# KiCad board Monorail_Jet.kicad_pcb (continued)
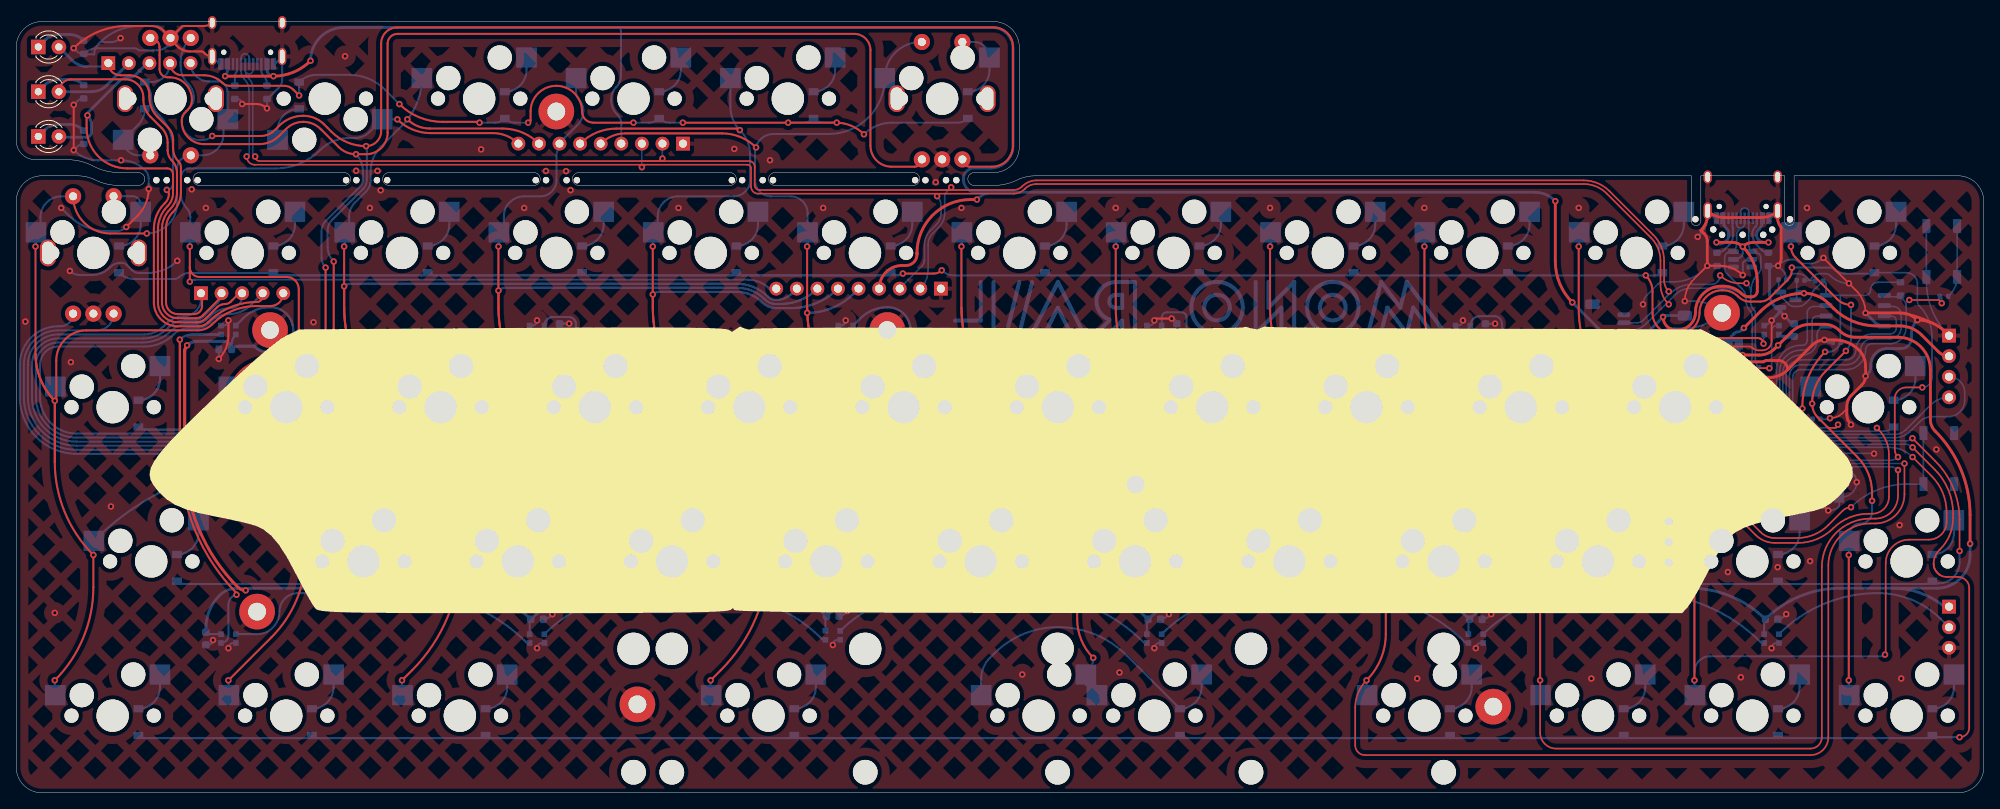
[diagram p0: board, top side]
## Routing (per net, layer and track width the routed paths; a pad name or vN(x,y) marks a point on that pad's centre or on a via; arc(x,y) is an arc through that point) (continued)
COL5: length 269.9
  Top w0.25: v1(111.92,29.37) 109.13,32.16 arc(104.14,39.62) v1(102.39,48.42) arc(98.87,53.69) 97.63,59.92 v1(97.63,67.47) ; 97.64,59.92 arc(98.88,53.69) 102.4,48.42 arc(104.15,39.62) 109.14,32.16 ; J7.5 arc(73.56,81.11) 75.22,81.44 87.14,81.44 arc(89.41,80.99) v1(91.33,79.7)
  Bottom w0.2: 203.69,38.36 207.13,38.36 arc(207.84,38.5) 208.43,38.9 arc(209.1,39.34) 209.88,39.5 211.42,39.5 arc(212.41,39.7) U3.29
  Bottom w0.25: 103.99,62.26 103.37,61.64 arc(100.75,59.89) 97.65,59.27 ; MX36.1 111.98,29.51 arc(111.96,29.43) v1(111.92,29.37) ; 102.46,50.16 102.46,48.56 arc(102.45,48.48) 102.4,48.42 ; 203.69,38.36 143.87,38.36 arc(141.78,38.78) 140.01,39.96 arc(139.24,40.48) 138.32,40.66 138.1,40.66 arc(137.19,40.48) 136.41,39.96 arc(134.64,38.78) 132.55,38.36 129.49,38.36 ; SW3.S2 111.67,92.72 arc(108.52,91.42) MX6.1 arc(105.19,83.38) 100.31,81.36 93.49,81.36 arc(91.87,80.69) 91.19,79.06 91.19,75.66 arc(91.78,74.25) 93.19,73.66 95.59,73.66 arc(97.08,73.05) 97.69,71.57 MX12.1 97.69,67.61 arc(97.67,67.53) v1(97.63,67.47) ; MX24.1 102.45,48.56 arc(102.44,48.48) v1(102.39,48.42) ; J10.5 103.36,61.64 arc(100.74,59.89) v1(97.64,59.27) ; 111.99,31.11 arc(120.02,36.48) 129.48,38.36 132.54,38.36 arc(134.63,38.78) 136.4,39.96
COL6: length 192.8
  Top w0.25: v1(116.68,67.47) 116.68,59.92 arc(117.92,53.69) v1(121.44,48.42) arc(123.19,39.62) 128.18,32.16 v1(130.97,29.37) 130.97,21.46 arc(131.48,18.87) v1(132.95,16.67) ; 116.69,59.92 arc(117.93,53.69) 121.45,48.42 arc(123.2,39.62) 128.19,32.16
  Bottom w0.2: 203.69,37.86 207.09,37.86 arc(207.93,38.03) 208.63,38.5 arc(209.3,38.94) 210.08,39.1 213.3,39.1 arc(213.73,39.19) U3.28
  Bottom w0.25: 203.69,37.86 145.13,37.86 arc(142.23,37.29) 139.78,35.65 ; 136.41,34.23 135.57,34.23 arc(134.27,33.98) 133.16,33.23 131.04,31.11 ; v1(130.97,29.37) 130.97,30.97 ; v1(121.44,48.42) 121.44,50.02 ; MX13.1 116.74,67.61 arc(116.72,67.53) v1(116.68,67.47) ; 121.45,48.42 121.45,50.02 ; MX58.2 132.13,14.69 arc(132.74,15.6) v1(132.95,16.67) ; MX58.2 132.57,14.08 arc(133.19,13.15) MX47.1 ; MX58.2 132.05,13.35 133.23,13.35 ; 131.04,31.11 133.16,33.23 arc(134.27,33.98) 135.58,34.23 136.41,34.23 arc(138.22,34.59) 139.75,35.62
COL7: length 114.6
  Top w0.25: v1(135.73,67.47) 135.73,59.92 arc(136.97,53.69) v1(140.49,48.42) arc(142.24,39.62) 147.23,32.16 v1(150.02,29.37)
  Bottom w0.2: U3.27 214.49,38.94 arc(214.47,38.81) 214.39,38.7 arc(214.35,38.67) 214.29,38.66 210.19,38.66 arc(209.45,38.52) 208.83,38.1 arc(208.01,37.55) 207.05,37.36 165.16,37.36 arc(157,35.74) MX38.1 arc(150.09,31.12) 150.09,31.13
  Bottom w0.25: MX38.1 150.08,29.51 arc(150.06,29.43) v1(150.02,29.37) ; MX14.1 135.79,67.61 arc(135.77,67.53) v1(135.73,67.47) ; v1(140.49,48.42) 140.49,50.02
COL8: length 186.5
  Top w0.2: v1(233.09,40.66) 233.09,36.86 arc(232.04,34.32) 229.49,33.26 228.89,33.26 arc(225.22,31.74) 223.69,28.06 223.69,6.86 arc(223.05,5.31) 221.49,4.66 166.49,4.66 arc(165.65,5.01) 165.29,5.86 165.29,10.53 arc(165.66,12.35) v1(166.69,13.89)
  Top w0.25: v1(154.78,67.47) 154.78,59.92 arc(156.02,53.69) v1(159.54,48.42) arc(161.29,39.62) 166.28,32.16 v1(169.07,29.37) 169.07,19.64 arc(168.45,16.53) v1(166.69,13.89)
  Bottom w0.2: U3.13 v1(233.09,40.66)
  Bottom w0.25: v1(166.69,13.89) 166.69,12.21 arc(166.7,12.13) 166.75,12.06 ; MX15.1 154.84,67.61 arc(154.82,67.53) v1(154.78,67.47) ; v1(169.07,29.37) 169.07,30.97 ; MX27.1 159.6,48.56 arc(159.59,48.48) v1(159.54,48.42)
COL9: length 158.8
  Top w0.2: v1(232.29,39.86) 232.29,36.66 arc(231.47,34.68) 229.49,33.86 228.89,33.86 arc(224.65,32.11) 222.89,27.86 222.89,6.86 arc(222.48,5.87) 221.49,5.46 190.09,5.46 arc(188.7,6.04) 188.12,7.44 v1(188.12,13.89)
  Top w0.25: v1(188.12,13.89) v1(188.12,29.37) 185.33,32.16 arc(180.34,39.62) v1(178.59,48.42) arc(175.07,53.69) 173.83,59.92 v1(173.83,67.47)
  Bottom w0.2: U3.14 231.33,40.26 arc(231.85,40.16) v1(232.29,39.86)
  Bottom w0.25: MX16.1 173.89,67.61 arc(173.87,67.53) v1(173.83,67.47) ; v1(188.12,13.89) 188.12,12.21 arc(188.13,12.13) MX49.1 ; v1(178.59,48.42) 178.59,50.02 ; MX40.1 188.18,29.51 arc(188.16,29.43) v1(188.12,29.37)
COL10: length 136.4
  Top w0.2: v1(234.09,41.46) 236.46,39.1 arc(237.82,37.06) 238.29,34.66 238.29,33.46 arc(237.65,31.91) 236.09,31.26 233.69,31.26 arc(231.63,30.41) 230.78,28.36 230.78,17.15 arc(230.75,17.09) v1(230.69,17.06)
  Top w0.25: v1(192.88,67.47) 192.88,59.92 arc(194.12,53.69) v1(197.64,48.42) arc(198.69,43.15) 201.68,38.68 205.69,34.66 arc(206.79,33.03) 207.17,31.1 v1(207.17,29.37) v1(207.17,13.89)
  Bottom w0.2: U3.8 231.2,42.66 arc(232.76,42.35) v1(234.09,41.46)
  Bottom w0.25: MX17.1 192.94,67.61 arc(192.92,67.53) v1(192.88,67.47) ; MX29.1 197.7,48.56 arc(197.69,48.48) v1(197.64,48.42) ; MX41.1 207.23,29.51 arc(207.21,29.43) v1(207.17,29.37) ; MX57.1 arc(207.18,12.13) 207.17,12.21 v1(207.17,13.89) 207.17,14.94 arc(207.73,16.3) 209.09,16.86 230.49,16.86 arc(230.64,16.92) v1(230.69,17.06)
COL11: length 75.3
  Top w0.2: v1(224.89,45.46) arc(224.78,45.18) 224.49,45.06 223.84,45.06 arc(223.7,45.09) 223.59,45.16
  Top w0.25: v1(226.22,29.37) v1(226.22,13.89) ; v1(229.09,36.06) 229.09,37.06 arc(228.62,39.46) 227.26,41.5 222.4,46.36 arc(221.88,47.14) v1(221.69,48.06) arc(222.12,50.22) 223.35,52.05 v1(225.87,54.57) ; v1(226.49,60.26) arc(225.57,60.45) 224.79,60.97 219.63,66.12 arc(219.22,66.74) v1(219.07,67.47)
  Bottom w0.2: U3.2 224.49,45.06 arc(224.78,45.18) v1(224.89,45.46)
  Bottom w0.25: v1(226.22,13.89) 226.22,12.21 arc(226.23,12.13) MX50.1 ; MX18.1 219.13,67.61 arc(219.12,67.53) v1(219.07,67.47) ; v1(221.69,48.06) 221.69,49.73 arc(221.65,49.97) MX30.1 ; v1(229.09,36.06) 229.09,34.66 arc(228.68,33.67) 227.69,33.26 arc(226.69,32.85) 226.28,31.85 MX42.1 226.28,29.51 arc(226.26,29.43) v1(226.22,29.37) ; v1(226.49,60.26) 226.49,56.09 arc(226.33,55.27) v1(225.87,54.57)
D+: length 262.4
  Top w0.2: 76.99,78.01 90.48,78.01 arc(90.96,77.81) 91.16,77.34 91.16,75.05 arc(91.34,74.62) 91.77,74.44 123.11,74.44 arc(123.68,74.55) 124.17,74.88 124.19,74.9 arc(125,75.44) 125.96,75.63 193.49,75.63 arc(195.21,75.29) 196.67,74.31 202.11,68.88 arc(203.08,67.42) 203.42,65.7 203.42,63.33 ; v1(213.59,62.93) 212.68,62.93 arc(211.42,63.18) v1(210.34,63.9) ; v1(29.5,78.58) arc(29.66,78.18) 30.07,78.01 79.94,78.01 79.87,78.08 arc(79.8,78.2) v1(79.77,78.33) ; 203.42,63.29 arc(203.57,62.54) v1(203.99,61.91)
  Bottom w0.2: v1(213.59,62.93) 213.74,62.78 arc(214.02,62.36) 214.12,61.87 ; J5.3 200.11,58.05 arc(200.49,58.12) 200.82,58.34 203.71,61.23 ; J7.2 v1(79.77,78.33) ; v1(115.42,74.77) 114.91,74.26 arc(114.69,73.94) 114.62,73.56 114.62,71.6 arc(114.43,70.65) 113.89,69.84 113.15,69.11 arc(112.72,68.46) 112.57,67.69 112.57,64.59 arc(112.32,63.33) J10.2 ; v1(29.5,78.58) 29.2,78.88 29.2,87.09 arc(29.08,87.69) 28.74,88.19 arc(28.39,88.72) 28.26,89.35 ; J2.B6 29.26,89.3 arc(29.11,88.94) 28.75,88.79 arc(28.41,88.94) 28.26,89.28 28.26,90.61 ; 203.71,61.23 204.14,61.67 arc(204.19,61.7) 204.25,61.71 arc(205.44,62.51) 206.84,62.78 209.23,62.78 arc(210.02,63.11) v1(210.34,63.9) ; 203.71,61.23 arc(203.92,61.55) v1(203.99,61.91) ; J1.A6 212.87,71.68 arc(212.91,71.89) 213.03,72.07 213.07,72.11 arc(213.2,72.19) 213.35,72.22 213.39,72.22 arc(213.55,72.19) 213.68,72.1 arc(213.82,71.89) 213.87,71.64 J1.B6 213.87,67.77 arc(213.97,67.26) U1.1 ; 214.12,61.87 214.12,60.56 arc(214.22,60.08) 214.49,59.66 arc(214.64,59.44) 214.69,59.18 214.69,53.54 arc(214.8,53.02) R7.2 ; 214.12,61.87 arc(214.36,63.08) 215.05,64.11 arc(215.29,64.46) 215.37,64.88 215.37,66.08 arc(215.32,66.32) 215.18,66.53 arc(214.85,66.75) 214.46,66.83
D-: length 260.7
  Top w0.2: v1(77.24,77.26) 77.52,77.54 arc(77.54,77.56) 77.56,77.56 29.47,77.56 arc(28.75,77.86) v1(28.45,78.58) ; 76.99,77.56 90.3,77.56 arc(90.59,77.44) 90.71,77.15 90.71,74.87 arc(90.97,74.25) 91.58,73.99 123.09,73.99 arc(123.86,74.14) 124.5,74.58 124.52,74.6 arc(125.17,75.03) 125.94,75.18 193.51,75.18 arc(195.04,74.88) 196.34,74.01 201.8,68.55 arc(202.67,67.25) 202.97,65.72 202.97,62.78 arc(203.24,61.45) v1(203.99,60.32)
  Bottom w0.2: 212.86,69.75 212.62,69.5 arc(212.43,69.22) 212.37,68.89 212.37,67.75 arc(212.27,67.25) U1.6 ; 212.86,69.75 212.91,69.75 arc(213.03,69.77) 213.13,69.84 213.21,69.92 arc(213.33,70.1) 213.37,70.31 J1.A7 ; 212.86,69.75 arc(212.68,69.78) 212.53,69.89 arc(212.41,70.06) 212.37,70.26 J1.B7 ; 213.52,61.12 213.52,60.85 arc(213.67,60.1) 214.09,59.46 arc(214.24,59.24) 214.29,58.98 214.29,53.87 arc(214.15,53.17) R6.2 ; 213.52,61.12 arc(213.4,61.72) 213.06,62.23 211.22,64.07 arc(210.98,64.43) 210.89,64.86 210.89,66.03 arc(210.95,66.35) 211.13,66.61 arc(211.37,66.77) 211.66,66.83 ; 213.52,61.12 arc(212.2,62) 210.64,62.31 206.77,62.31 arc(205.67,62.09) 204.74,61.47 201.22,57.94 arc(200.22,57.28) 199.05,57.05 ; v1(28.45,78.58) 28.75,78.88 28.75,86.73 arc(28.6,87.48) 28.18,88.11 arc(27.87,88.57) 27.76,89.11 J2.B7 27.76,90.79 arc(27.91,91.14) 28.26,91.28 arc(28.61,91.13) 28.76,90.78 J2.A7 ; J10.3 109.06,62.32 111.8,65.06 arc(112.04,65.42) 112.13,65.85 ; J7.3 77.23,77.27 arc(77.23,77.27) v1(77.24,77.26) ; v1(113.68,73.68) arc(114.04,73.14) 114.17,72.5 114.17,71.58 arc(114.02,70.82) 113.58,70.17 112.85,69.44 arc(112.31,68.63) 112.12,67.67 112.12,65.85 arc(112.03,65.42) 111.79,65.06
ENCA: length 450.8
  Top w0.2: v1(220.43,39.5) 220.43,36.7 arc(220.14,35.99) 219.42,35.69 216.42,35.69 arc(215.87,35.58) 215.41,35.28 arc(215.16,35.1) 214.85,35.04 214.83,35.04 arc(214.05,35.2) 213.4,35.63 213.18,35.86 arc(212.87,36.06) 212.51,36.13 211.54,36.13 arc(211.11,36.05) 210.76,35.81 210.65,35.71 arc(210.12,35.35) 209.5,35.23 arc(208.76,35.38) 208.14,35.79 207.63,36.3 arc(206.3,38.29) 205.83,40.65 v1(205.83,42.1)
  Top w0.25: v1(39.19,65.61) 39.19,57.27 arc(40.23,52.04) 43.19,47.61 arc(44.49,45.67) 44.94,43.39 v1(44.94,42.11) ; v1(24.19,81.11) 30.13,81.11 arc(31.11,81.31) 31.94,81.86 32.46,82.38 arc(33.83,83.29) 35.44,83.61 arc(36.83,83.34) 38,82.55 38.93,81.63 arc(40.88,80.32) v1(43.19,79.86) arc(44.51,80.41) 45.05,81.72 45.05,92.52 arc(45.64,93.94) 47.05,94.52 120.65,94.52 arc(122.35,93.82) 123.05,92.12 123.05,79.92 arc(122.29,78.09) 120.45,77.32 117.7,77.32 arc(117.06,77.59) SW3.B
  Bottom w0.2: U3.15 220.36,39.43 arc(220.41,39.45) v1(220.43,39.5)
  Bottom w0.25: 48.44,41.86 45.19,41.86 arc(45.02,41.94) v1(44.94,42.11) ; 48.44,41.86 132.56,41.86 arc(133.34,42.02) 134,42.46 ; 48.44,41.86 arc(48.12,41.93) 47.84,42.11 arc(47.56,42.3) 47.24,42.36 7.44,42.36 arc(2.85,44.27) 0.94,48.86 0.94,52.86 arc(2.19,55.87) 5.19,57.11 9.96,57.11 arc(11.42,57.72) SW1.A ; SW2.B arc(20.62,91.84) 20.3,90.2 20.3,89.78 arc(20.53,88.6) 21.19,87.61 21.24,87.57 arc(21.76,86.79) 21.94,85.86 arc(21.81,85.17) 21.41,84.58 20.97,84.14 arc(20.58,83.56) 20.44,82.86 arc(21.1,81.27) 22.69,80.61 22.99,80.61 arc(23.64,80.74) v1(24.19,81.11) ; v1(205.83,42.1) arc(205.57,41.92) 205.26,41.86 143.86,41.86 arc(143.08,42.02) 142.41,42.46 arc(140.53,43.72) 138.31,44.16 138.12,44.16 arc(135.89,43.72) 134.01,42.46 ; v1(39.19,65.61) arc(38.64,66.44) 38.44,67.42 38.44,69.36 arc(38.6,70.13) 39.03,70.79 42.85,74.6 arc(43.16,75.07) 43.27,75.63 43.27,79.67 arc(43.25,79.77) v1(43.19,79.86)
ENCB: length 424.5
  Top w0.25: v1(38.19,64.86) 38.19,56.62 arc(39.3,51.07) 42.44,46.36 arc(43.18,45.25) 43.44,43.95 v1(43.44,41.61) ; SW3.A arc(111.54,77.59) 110.9,77.32 108.05,77.32 arc(106.21,78.09) 105.45,79.92 105.45,91.72 arc(104.86,93.14) 103.45,93.72 47.05,93.72 arc(46.2,93.37) 45.85,92.52 45.85,81.52 arc(45.07,79.64) 43.19,78.86 v1(41.94,78.86) arc(40.79,79.09) 39.81,79.75 37.58,81.98 arc(36.6,82.63) 35.44,82.86 arc(34.29,82.63) 33.31,81.98 32.44,81.11 arc(31.34,80.37) 30.03,80.11 23.19,80.11 arc(21.25,80.92) 20.44,82.86 20.44,83.11 arc(20.54,83.57) 20.8,83.97 21.16,84.33 arc(21.56,84.92) 21.69,85.61 arc(20.89,87.56) 18.94,88.36 18.69,88.36 arc(17.99,88.66) 17.69,89.36 17.69,92.08 arc(17.36,92.89) SW2.A
  Bottom w0.2: U3.36 209.63,43.06 arc(208.58,42.85) 207.69,42.26 arc(206.7,41.6) 205.52,41.36 205.39,41.36
  Bottom w0.25: 205.39,41.36 143.8,41.36 arc(142.89,41.54) 142.11,42.06 arc(140.34,43.25) 138.25,43.66 138.17,43.66 arc(136.08,43.25) 134.31,42.06 arc(133.54,41.54) 132.62,41.36 ; 132.61,41.36 44.19,41.36 ; 44.19,41.36 31.94,41.36 arc(31.62,41.43) 31.34,41.61 arc(31.06,41.8) 30.74,41.86 ; 44.19,41.36 44.05,41.36 arc(43.72,41.43) v1(43.44,41.61) arc(43.17,41.8) 42.84,41.86 7.44,41.86 arc(2.49,43.91) 0.44,48.86 0.44,52.86 arc(1.83,56.22) 5.19,57.61 5.46,57.61 arc(6.57,58.07) SW1.B ; v1(41.94,78.86) arc(42.58,77.92) 42.8,76.8 42.8,75.59 arc(42.73,75.24) 42.53,74.95 38.22,70.64 arc(37.83,70.06) 37.69,69.36 37.69,66.07 arc(37.82,65.42) v1(38.19,64.86)
LED1: length 296.8
  Top w0.25: J9.1 arc(22.9,61.66) 22.94,61.56 22.94,60.11 arc(22.65,59.41) 21.94,59.11 19.94,59.11 arc(18.92,59.54) 18.49,60.56 18.49,69.73 arc(18.7,70.78) 19.29,71.66 arc(20.06,72.81) 20.33,74.17 20.33,77.23 arc(20.25,77.64) 20.02,77.99 arc(19.54,78.71) 19.37,79.55 19.37,80.59 arc(19.2,81.47) 18.7,82.22 17.43,83.49 arc(16.7,84.58) 16.44,85.86 16.44,86.11 arc(15.71,87.88) 13.94,88.61 12.87,88.61 arc(11.81,89.05) J8.1
  Bottom w0.2: 205.94,42.86 207.33,42.86 arc(207.85,42.97) 208.29,43.26 arc(208.52,43.41) 208.78,43.46 U3.37
  Bottom w0.25: 205.94,42.86 143.84,42.86 arc(143.44,42.94) 143.11,43.16 arc(140.9,44.64) 138.28,45.16 138.14,45.16 arc(135.53,44.64) 133.31,43.16 arc(132.98,42.94) 132.59,42.86 ; J9.1 22.81,60.97 arc(22.19,59.48) 20.69,58.86 arc(19.54,58.63) 18.56,57.98 18.19,57.61 arc(17.09,56.87) 15.78,56.61 5.19,56.61 arc(2.54,55.51) 1.44,52.86 1.44,48.86 arc(3.2,44.62) 7.44,42.86 132.58,42.86 arc(132.97,42.94) 133.3,43.16 ; 8.73,89.69 10.36,89.69 arc(10.9,89.8) J8.1
  Bottom w0.35: D53.2 6.94,90.43 arc(7.76,89.89) 8.73,89.69
LED2: length 307.8
  Top w0.25: D54.2 arc(5.72,87.66) 6.8,88.11 13.44,88.11 arc(15.03,87.45) 15.69,85.86 15.69,85.61 arc(15.92,84.46) 16.58,83.48 17.94,82.11 arc(18.5,81.28) 18.69,80.3 18.69,79.32 arc(18.82,78.67) 19.19,78.11 arc(19.68,77.39) 19.85,76.53 19.85,74.13 arc(19.63,73.01) 18.99,72.06 arc(18.25,70.95) 17.99,69.65 17.99,60.56 arc(18.56,59.18) 19.94,58.61 22.19,58.61 arc(22.66,58.7) 23.05,58.97 25.04,60.96 arc(25.27,61.3) 25.35,61.7
  Bottom w0.2: 205.94,43.36 207.37,43.36 arc(207.76,43.44) 208.09,43.66 arc(208.32,43.81) 208.58,43.86 U3.38
  Bottom w0.25: 205.94,43.36 143.91,43.36 arc(143.63,43.42) 143.4,43.57 143.31,43.66 arc(141.1,45.14) 138.48,45.66 137.96,45.66 arc(135.38,45.15) 133.19,43.69 arc(132.83,43.45) 132.4,43.36 ; 133.18,43.69 arc(132.82,43.45) 132.4,43.36 7.44,43.36 arc(3.55,44.97) 1.94,48.86 1.94,52.86 arc(2.9,55.16) 5.19,56.11 15.68,56.11 arc(17.31,56.44) 18.69,57.36 18.81,57.48 arc(19.79,58.13) 20.94,58.36 21.99,58.36 arc(22.64,58.49) 23.19,58.86 24.86,60.53 arc(25.22,61.07) 25.35,61.7
  Bottom w0.35: D54.2 9.27,86.58 arc(10.3,86.79) 11.16,87.37 J8.2
LED3: length 311
  Top w0.25: 17.49,63.06 17.49,69.57 arc(17.81,71.13) 18.69,72.46 arc(19.19,73.2) 19.36,74.07 19.36,76.4 arc(19.15,76.9) 18.64,77.11 13.69,77.11 arc(10.16,78.58) 8.69,82.11 8.69,83.56 arc(8.72,83.63) v1(8.79,83.66) ; 17.49,63.06 17.49,60.56 arc(18.21,58.83) 19.94,58.11 22.24,58.11 arc(22.89,58.24) 23.44,58.61 24.78,59.95 arc(25.24,60.26) 25.78,60.36 arc(26.16,60.44) 26.49,60.66 27.28,61.45 arc(27.56,61.63) 27.89,61.7 ; 17.49,63.06 17.49,62.77
  Bottom w0.2: 205.94,43.86 207.41,43.86 arc(207.67,43.91) 207.89,44.06 arc(208.12,44.21) 208.38,44.26 U3.39
  Bottom w0.25: 205.94,43.86 144.09,43.86 arc(143.83,43.91) 143.61,44.06 arc(141.28,45.62) 138.54,46.16 137.87,46.16 arc(135.21,45.63) 132.96,44.13 arc(132.67,43.93) 132.31,43.86 ; 27.89,61.7 27.89,61.3 arc(27.46,60.28) 26.44,59.86 arc(25.06,59.59) 23.88,58.8 23.69,58.61 arc(22.86,58.06) 21.88,57.86 21,57.86 arc(20.02,57.67) 19.19,57.11 arc(17.53,56) 15.57,55.61 5.19,55.61 arc(3.25,54.81) 2.44,52.86 2.44,48.86 arc(3.91,45.33) 7.44,43.86 132.31,43.86 arc(132.66,43.93) 132.96,44.13
  Bottom w0.35: 5.5,80.96 8.65,80.96 arc(9.11,81.15) 9.3,81.61 9.3,82.44 arc(9.17,83.1) v1(8.79,83.66) arc(8.85,83.94) 9.01,84.17 12.69,87.86 arc(13.25,88.23) 13.9,88.36 13.94,88.36 arc(14.41,88.45) 14.8,88.72 16.01,89.93 arc(16.21,90.07) J8.3
QSPI_CLK: length 16.4
  Bottom w0.2: U3.52 217.69,52.06 arc(218.46,53.9) 220.29,54.66 220.49,54.66 arc(221.34,55.01) 221.69,55.86 221.69,58.26 arc(221.87,58.69) 222.29,58.86 223.38,58.86 arc(223.4,58.87) U4.6
QSPI_D0: length 14.5
  Bottom w0.2: U3.53 218.09,51.86 arc(218.74,53.42) 220.29,54.06 220.49,54.06 arc(221.77,54.59) 222.29,55.86 222.29,56.51 arc(222.62,57.3) U4.5
QSPI_D1: length 26.7
  Bottom w0.2: U3.55 218.89,51.46 arc(219.3,52.45) 220.29,52.86 225.89,52.86 arc(227.17,53.39) 227.69,54.66 arc(228.1,55.65) 229.09,56.06 231.29,56.06 arc(232.28,56.47) 232.69,57.46 232.69,59.06 arc(232.4,59.77) 231.69,60.06 230.72,60.06 arc(230.64,60.09) U4.2
QSPI_D2: length 24.9
  Bottom w0.2: U3.54 218.49,51.66 arc(219.02,52.94) 220.29,53.46 225.89,53.46 arc(226.74,53.81) 227.09,54.66 arc(227.68,56.08) 229.09,56.66 231.29,56.66 arc(231.86,56.9) 232.09,57.46 232.09,58.26 arc(231.92,58.69) 231.49,58.86 230.65,58.86 arc(230.62,58.87) U4.3
QSPI_D3: length 18.1
  Bottom w0.2: U3.51 217.29,52.26 arc(218.17,54.38) 220.29,55.26 220.49,55.26 arc(220.92,55.44) 221.09,55.86 221.09,59.26 arc(221.33,59.83) 221.89,60.06 223.31,60.06 arc(223.38,60.09) U4.7
QSPI_SS: length 35.1
  Top w0.2: v1(233.69,60.86) 237.29,60.86 arc(237.58,60.75) v1(237.69,60.46)
  Bottom w0.2: U3.56 219.29,51.26 arc(219.59,51.97) 220.29,52.26 225.89,52.26 arc(227.59,52.97) 228.29,54.66 arc(228.53,55.23) 229.09,55.46 231.29,55.46 arc(232.71,56.05) 233.29,57.46 233.29,60.06 ; 233.29,60.06 233.29,60.46 arc(233.41,60.75) v1(233.69,60.86) ; 233.29,60.06 arc(232.94,60.91) 232.09,61.26 230.79,61.26 arc(230.66,61.31) U4.1 ; v1(237.69,60.46) 237.69,61.08 arc(237.63,61.24) R14.1 arc(237.36,61.38) 237.24,61.4
RGB: length 25.3
  Top w0.2: v1(216.42,52.44) 211.27,52.44 arc(210.3,52.04) 209.89,51.06 209.89,50.86 arc(209.48,49.87) v1(208.49,49.46)
  Bottom w0.2: U3.41 209.29,45.06 arc(208.3,45.47) 207.89,46.46 207.89,48.86 arc(208.07,49.29) v1(208.49,49.46) ; D59.4 217.33,57.7 arc(216.88,57.51) 216.69,57.06 216.69,52.71 arc(216.61,52.52) v1(216.42,52.44)
RGB_OUT: length 24.1
  Bottom w0.25: 238.99,20.05 237.62,21.42 arc(234.03,23.82) 229.79,24.66 arc(223.21,23.35) 217.63,19.63
ROW0: length 356
  Top w0.2: v1(235.29,50.06) 233.29,50.06 arc(232.3,49.65) 231.89,48.66 231.89,42.43 arc(232,41.91) v1(232.29,41.46)
  Top w0.25: v1(219.19,64.86) 219.19,64.57 arc(219.06,63.92) 218.69,63.36 216.49,61.16 arc(215.94,60.79) 215.29,60.66 214.04,60.66 arc(213.26,60.82) 212.59,61.26 arc(211.71,61.85) 210.66,62.06 210.59,62.06 arc(208.61,61.24) 207.79,59.26 arc(207.03,57.42) 205.19,56.66 204.59,56.66 arc(202.76,57.42) 201.99,59.26 201.99,61.88 arc(201.78,62.97) v1(201.16,63.9) ; v1(109.45,64.12) 113.28,64.12 arc(113.81,64.23) v1(114.25,64.52)
  Bottom w0.2: U3.12 231.33,41.06 arc(231.85,41.17) v1(232.29,41.46) ; D18.1 233.33,64.23 arc(234.29,63.83) 234.69,62.86 234.69,60.72 arc(234.76,60.39) 234.94,60.11 arc(236.09,58.4) 236.49,56.37 236.49,51.26 arc(236.14,50.41) v1(235.29,50.06)
  Bottom w0.25: v1(219.19,64.86) 223.84,64.86 arc(224.17,64.8) 224.44,64.61 arc(225,64.24) 225.65,64.11 229.11,64.11 arc(229.26,64.14) D18.1 arc(229.36,64.25) 229.32,64.26 ; v1(114.25,64.52) arc(114.95,64.06) 115.77,63.9 126.19,63.9 arc(126.63,63.98) D13.1 arc(127.37,63.98) 127.81,63.9 145.24,63.9 arc(145.68,63.98) D14.1 arc(146.42,63.98) 146.86,63.9 164.29,63.9 arc(164.73,63.98) D15.1 arc(165.47,63.98) 165.91,63.9 183.34,63.9 arc(183.78,63.98) D16.1 arc(184.52,63.98) 184.96,63.9 v1(201.16,63.9) 202.39,63.9 arc(202.83,63.98) D17.1 ; 127.82,63.9 arc(127.38,63.98) 127.01,64.23 arc(126.64,63.98) 126.2,63.9 ; v1(109.45,64.12) arc(109.2,63.96) 108.9,63.9 108.77,63.9 arc(108.33,63.98) 107.96,64.23 arc(107.59,63.98) 107.15,63.9 89.72,63.9 arc(89.28,63.98) 88.91,64.23 arc(88.54,63.98) 88.1,63.9 70.67,63.9 arc(70.23,63.98) 69.86,64.23 arc(69.49,63.98) 69.05,63.9 51.62,63.9 arc(51.18,63.98) 50.81,64.23 arc(50.44,63.98) 50,63.9 32.57,63.9 arc(32.13,63.98) 31.76,64.23 ; 108.76,63.9 arc(108.32,63.98) D12.1 arc(107.58,63.98) 107.14,63.9 89.71,63.9 arc(89.27,63.98) D11.1 arc(88.53,63.98) 88.09,63.9 70.66,63.9 arc(70.22,63.98) D10.1 arc(69.48,63.98) 69.04,63.9 51.61,63.9 arc(51.17,63.98) D9.1 arc(50.43,63.98) 49.99,63.9 32.56,63.9 arc(32.12,63.98) D8.1 arc(31.72,64.21) 31.67,64.2 21.34,64.2 arc(20.69,64.07) 20.13,63.7 arc(19.85,63.51) 19.53,63.45 14.59,63.45 arc(13.57,63.65) D7.1
ROW1: length 391.7
  Top w0.2: v1(229.69,45.06) 229.89,44.86 arc(230.85,43.44) 231.18,41.76 231.18,36.55 arc(230.57,35.07) 229.09,34.46 228.64,34.46 arc(226.29,33.99) 224.29,32.66 arc(222.3,31.33) 219.95,30.86 217.09,30.86 arc(215.8,31.12) 214.7,31.85 213.89,32.66 arc(212.56,33.55) 211,33.86 209.51,33.86 arc(208.2,34.12) 207.09,34.86 202.44,39.52 arc(200.56,42.34) v1(199.89,45.66)
  Bottom w0.2: 192.09,46.66 194.39,48.96 arc(194.45,49.05) D29.1 ; 192.09,46.66 197.48,46.66 arc(198.79,46.4) v1(199.89,45.66) ; 192.09,46.66 191.29,45.86 ; U3.3 222.89,44.66 ; 222.89,44.66 230.52,44.66 arc(231.2,44.8) D30.1 ; 222.89,44.66 223.21,44.66
  Bottom w0.25: D25.1 arc(131.39,44.93) 130.96,44.85 113.52,44.85 arc(113.08,44.93) D24.1 arc(112.36,44.95) 111.94,44.86 94.43,44.86 arc(94.02,44.95) D23.1 arc(93.31,44.95) 92.89,44.86 75.38,44.86 arc(74.97,44.95) D22.1 arc(74.26,44.95) 73.84,44.86 56.33,44.86 arc(55.92,44.95) D21.1 arc(55.21,44.95) 54.79,44.86 37.28,44.86 arc(36.87,44.95) D20.1 arc(36.16,44.95) 35.74,44.86 15.85,44.86 arc(15.43,44.95) D19.1 ; 131.78,45.18 arc(131.41,44.93) 130.97,44.85 ; 132.12,44.86 arc(132.38,44.91) 132.6,45.06 arc(134.93,46.62) 137.67,47.16 ; 191.29,45.86 arc(190.54,45.36) 189.65,45.18 D28.1 arc(188.54,44.93) 188.11,44.85 170.67,44.85 arc(170.23,44.93) D27.1 arc(169.49,44.93) 169.06,44.85 151.62,44.85 arc(151.18,44.93) D26.1 arc(150.46,44.95) 150.04,44.86 144.48,44.86 arc(144.22,44.91) 143.99,45.06 arc(141.67,46.62) 138.92,47.16 137.66,47.16 arc(134.92,46.62) 132.59,45.06 arc(132.37,44.91) 132.11,44.86 ; 15.09,45.18 arc(15.44,44.95) 15.86,44.86 35.75,44.86 arc(36.17,44.95) 36.52,45.18 arc(36.88,44.95) 37.29,44.86 54.8,44.86 arc(55.22,44.95) 55.57,45.18 arc(55.93,44.95) 56.34,44.86 73.85,44.86 arc(74.27,44.95) 74.62,45.18 arc(74.98,44.95) 75.39,44.86 92.9,44.86 arc(93.32,44.95) 93.67,45.18 arc(94.03,44.95) 94.44,44.86 111.95,44.86 arc(112.37,44.95) 112.72,45.18 arc(113.09,44.93) 113.53,44.85 130.97,44.85 arc(131.4,44.93) 131.77,45.18 ; 132.13,44.86 arc(132.39,44.91) 132.61,45.06 arc(134.94,46.62) 137.68,47.16 138.94,47.16 arc(141.68,46.62) 144.01,45.06 arc(144.23,44.91) 144.49,44.86
ROW2: length 255
  Top w0.2: v1(239.89,29.86) 239.89,33.74 arc(239.12,37.65) 236.9,40.96 v1(234.08,43.79)
  Bottom w0.2: U3.6 233.3,43.46 arc(233.72,43.55) v1(234.08,43.79)
  Bottom w0.25: v1(239.89,29.86) 239.89,28.46 arc(239.13,26.62) 237.29,25.86 236.81,25.86 arc(236.62,25.94) D42.1 arc(236.17,25.88) 235.73,25.8 218.29,25.8 arc(217.86,25.88) D41.1 arc(217.12,25.88) 216.68,25.8 199.24,25.8 arc(198.81,25.88) D40.1 arc(198.07,25.88) 197.63,25.8 180.19,25.8 arc(179.76,25.88) D39.1 arc(179.02,25.88) 178.58,25.8 161.14,25.8 arc(160.71,25.88) D38.1 arc(159.97,25.88) 159.53,25.8 142.09,25.8 arc(141.66,25.88) D37.1 arc(140.92,25.88) 140.48,25.8 123.04,25.8 arc(122.61,25.88) D36.1 arc(121.87,25.88) 121.43,25.8 103.99,25.8 arc(103.56,25.88) D35.1 arc(102.82,25.88) 102.38,25.8 84.94,25.8 arc(84.51,25.88) D34.1 arc(83.77,25.88) 83.33,25.8 65.89,25.8 arc(65.46,25.88) D33.1 arc(64.72,25.88) 64.28,25.8 46.84,25.8 arc(46.41,25.88) D32.1 arc(45.67,25.88) 45.23,25.8 20.65,25.8 arc(20.21,25.88) D31.1
ROW3: length 284.1
  Top w0.2: v1(234.09,42.66) 236.83,39.93 arc(238.51,37.42) 239.09,34.46 239.09,33.93 arc(238.68,31.83) 237.49,30.06 237.4,29.97 arc(236.88,29.19) 236.69,28.26 ; 237.49,26.86 237.12,27.24 arc(236.8,27.71) 236.69,28.26 ; 236.69,28.26 arc(237.16,27.13) 238.29,26.66 239.69,26.66 arc(240.68,26.25) 241.09,25.26 241.09,8.06 arc(240.74,7.21) v1(239.89,6.86)
  Bottom w0.2: U3.7 233.13,43.06 arc(233.65,42.96) v1(234.09,42.66)
  Bottom w0.25: v1(239.89,6.86) 236.76,6.86 arc(236.6,6.93) D52.1 arc(236.17,6.83) 235.73,6.75 218.29,6.75 arc(217.86,6.83) D51.1 arc(217.12,6.83) 216.68,6.75 199.24,6.75 arc(198.81,6.83) D50.1 arc(198.07,6.83) 197.63,6.75 177.81,6.75 arc(177.38,6.83) D49.1 arc(176.64,6.83) 176.2,6.75 144.48,6.75 arc(144.04,6.83) D48.1 arc(143.3,6.83) 142.86,6.75 96.85,6.75 arc(96.41,6.83) D47.1 arc(95.67,6.83) 95.24,6.75 58.75,6.75 arc(58.31,6.83) D45.1 arc(57.57,6.83) 57.14,6.75 37.32,6.75 arc(36.88,6.83) D44.1 arc(36.14,6.83) 35.71,6.75 15.89,6.75 arc(15.45,6.83) D43.1
ROW4: length 422.7
  Top w0.25: v1(34.93,86.12) 34.19,86.85 arc(33.68,87.19) 33.08,87.31 26.32,87.31 arc(25.87,87.4) 25.48,87.66 arc(24.43,88.36) 23.18,88.61 20.49,88.61 arc(19.43,89.05) J8.4 ; v1(82.29,82.76) v1(95.29,82.76) 101.18,82.76 arc(103.06,82.39) v1(104.65,81.32) ; 30.43,61.7 30.43,61.34 arc(30.21,60.83) 29.69,60.61 arc(26.46,59.97) 23.72,58.14 23.69,58.11 arc(23.14,57.74) 22.49,57.61 19.94,57.61 arc(17.86,58.48) 16.99,60.56 16.99,69.62 arc(17.33,71.32) 18.29,72.76 18.39,72.86 arc(18.73,73.36) 18.84,73.96 arc(18.8,74.19) 18.66,74.39 v1(18.59,74.46) ; v1(76.19,82.76) 71.22,82.76 arc(70.25,83.17) 69.85,84.14 arc(68.92,86.38) 66.68,87.31 arc(64.43,86.38) 63.5,84.14 63.5,83.07 arc(63.41,82.85) v1(63.19,82.76) ; v1(57.19,82.76) arc(57.08,82.84) 56.95,82.86 52.59,82.86 arc(49.73,83.43) v1(47.3,85.05)
  Bottom w0.2: 205.94,44.36 207.45,44.36 arc(207.58,44.39) 207.69,44.46 arc(207.92,44.61) 208.18,44.66 U3.40
  Bottom w0.25: 30.43,61.7 29,60.28 arc(27.71,59.41) 26.19,59.11 arc(25.04,58.88) 24.06,58.23 23.94,58.11 arc(23.11,57.56) 22.13,57.36 21.25,57.36 arc(20.27,57.17) 19.44,56.61 arc(17.78,55.5) 15.82,55.11 5.19,55.11 arc(3.6,54.45) 2.94,52.86 2.94,48.86 arc(4.26,45.68) 7.44,44.36 132.18,44.36 arc(132.52,44.43) 132.81,44.62 arc(135.07,46.13) 137.74,46.66 ; v1(57.19,82.76) 59.07,82.76 arc(59.75,82.9) D3.1 arc(60.9,82.9) 61.58,82.76 v1(63.19,82.76) ; v1(76.19,82.76) 78.12,82.76 arc(78.8,82.9) D4.1 arc(79.95,82.9) 80.63,82.76 v1(82.29,82.76) ; v1(101.29,82.76) 99.68,82.76 arc(99,82.9) D5.1 arc(97.85,82.9) 97.17,82.76 v1(95.29,82.76) ; 205.94,44.36 144.29,44.36 arc(144.03,44.41) 143.81,44.56 arc(141.48,46.12) 138.74,46.66 137.74,46.66 arc(135.08,46.13) 132.81,44.62 arc(132.53,44.43) 132.19,44.36 ; v1(47.3,85.05) 45.49,86.86 arc(43.5,88.19) 41.15,88.66 37.08,88.66 arc(35.91,88.43) D2.1 v1(34.93,86.12) ; v1(104.65,81.32) arc(106.24,82.39) 108.12,82.76 116.22,82.76 arc(116.9,82.9) D6.1 ; v1(18.59,74.46) arc(19.13,74.68) 19.35,75.22 19.35,79.61 arc(18.92,81.77) 17.69,83.61 17.55,83.76 arc(16.88,84.75) 16.65,85.92 arc(16.45,86.92) 15.89,87.76 D1.1 16.65,87.77 arc(18.3,88.46) J8.4
RUN: length 39.4
  Top w0.2: v1(226.49,35.26) arc(225.94,35.15) 225.47,34.84 223.69,33.06 arc(221.92,31.88) 219.83,31.46 217.1,31.46 arc(216.14,31.65) 215.33,32.2 212.5,35.02 arc(212.19,35.23) v1(211.83,35.3)
  Bottom w0.2: U3.26 214.89,38.9 arc(214.84,38.64) 214.7,38.42 214.55,38.27 arc(213.83,37.79) R5.2 212.98,36.45 arc(212.65,35.64) v1(211.83,35.3) ; 235.43,44.42 SWR1.2 233.4,38.12 arc(229.66,37.38) v1(226.49,35.26)
SCL: length 26.8
  Bottom w0.2: 233.55,44.4 233.77,44.62 ; 233.77,44.62 234.98,45.82 arc(235.67,46.29) 236.49,46.45 238.52,46.45 arc(239.94,47.04) 240.53,48.46 240.53,49.44 arc(239.97,50.81) J4.3 ; 233.77,44.62 arc(232.93,44.06) 231.94,43.86 U3.5
SDA: length 20.1
  Bottom w0.2: U3.4 231.85,44.26 arc(232.63,44.42) 233.29,44.86 236.34,47.91 arc(237.37,48.6) J4.4
SWCLK: length 19.6
  Bottom w0.2: U3.24 215.69,38.67 arc(215.6,38.22) 215.35,37.83 214.41,36.89 arc(213.98,36.25) 213.83,35.5 arc(213.32,34.25) 212.07,33.74 206.65,33.74 arc(205.74,33.36) 205.37,32.46 205.37,29.81 arc(204.97,28.83) SWD1.1
SWDIO: length 15
  Bottom w0.2: U3.25 215.29,38.86 arc(215.21,38.46) 214.98,38.11 213.9,37.03 arc(213.55,36.51) 213.43,35.9 arc(212.95,34.74) 211.79,34.26 204.75,34.26 arc(204.21,34.04) SWD1.3
XIN: length 9.3
  Bottom w0.2: U3.20 217.29,38.99 arc(217.5,38.49) 218.01,38.28 221.55,38.28 arc(221.65,38.23) C27.1
  Bottom w0.25: C27.1 arc(222.24,37.76) 222.89,37.63 223.68,37.63 arc(224.15,37.73) 224.54,37.99 224.88,38.33 arc(225,38.51) Y1.3
XOUT: length 4.9
  Bottom w0.2: 216.89,38.63 U3.21 216.89,38.94 arc(217.22,38.15) 218.01,37.82 219.32,37.82 arc(219.58,37.72) R12.2
Net-(C6-Pad2): length 3
  Bottom w0.25: 220.71,37.63 220.9,37.44 arc(221.27,37.19) C6.2 221.95,37.11 arc(222.7,36.96) Y1.1
Net-(D1-Pad2): length 9.2
  Bottom w0.25: SW2.S2 15.13,78.72 arc(13.77,79.29) MX1.2 15.05,82.49 arc(15.66,83.4) D1.2
Net-(D2-Pad2): length 5.3
  Bottom w0.25: MX2.2 32.26,81.8 arc(33.04,83.69) D2.2
Net-(D3-Pad2): length 5.7
  Bottom w0.25: MX3.2 62.99,89.25 arc(62.21,87.36) D3.2
Net-(D4-Pad2): length 5.7
  Bottom w0.25: MX4.2 82.04,89.25 arc(81.26,87.36) D4.2
Net-(D5-Pad2): length 5.7
  Bottom w0.25: MX5.2 101.09,89.25 arc(100.31,87.36) D5.2
Net-(D6-Pad2): length 10.2
  Bottom w0.25: SW3.S1 118.22,92.72 arc(119.58,92.16) MX6.2 120.14,89.25 arc(119.36,87.36) D6.2
Net-(D7-Pad2): length 10.6
  Bottom w0.25: SW1.S2 14.38,73.67 arc(15.08,73.39) 15.37,72.69 15.37,70.2 arc(14.59,68.31) D7.2
Net-(D8-Pad2): length 5.7
  Bottom w0.25: 34.42,71.75 34.42,70.2 arc(33.64,68.31) D8.2
Net-(D9-Pad2): length 5.7
  Bottom w0.25: 53.47,71.75 53.47,70.2 arc(52.69,68.31) D9.2
Net-(D10-Pad2): length 5.7
  Bottom w0.25: 72.52,71.75 72.52,70.2 arc(71.74,68.31) D10.2
Net-(D11-Pad2): length 5.7
  Bottom w0.25: 91.57,71.75 91.57,70.2 arc(90.79,68.31) D11.2
Net-(D12-Pad2): length 5.7
  Bottom w0.25: 110.62,71.75 110.62,70.2 arc(109.84,68.31) D12.2
Net-(D13-Pad2): length 5.7
  Bottom w0.25: 129.67,71.75 129.67,70.2 arc(128.89,68.31) D13.2
Net-(D14-Pad2): length 5.7
  Bottom w0.25: 148.72,71.75 148.72,70.2 arc(147.94,68.31) D14.2
Net-(D15-Pad2): length 5.7
  Bottom w0.25: 167.77,71.75 167.77,70.2 arc(166.99,68.31) D15.2
Net-(D16-Pad2): length 5.7
  Bottom w0.25: 186.82,71.75 186.82,70.2 arc(186.04,68.31) D16.2
Net-(D17-Pad2): length 5.7
  Bottom w0.25: 205.87,71.75 205.87,70.2 arc(205.09,68.31) D17.2
Net-(D18-Pad2): length 5.7
  Bottom w0.25: 232.06,71.75 232.06,70.2 arc(231.28,68.31) D18.2
Net-(D19-Pad2): length 11.5
  Bottom w0.25: MX19.2 17.75,51.15 arc(16.97,49.26) D19.2 ; 17.76,52.7 17.76,51.15 arc(16.98,49.26) 15.09,48.48
Net-(D20-Pad2): length 11.5
  Bottom w0.25: 39.19,52.7 39.19,51.15 arc(38.41,49.26) 36.52,48.48 ; MX20.2 39.18,51.15 arc(38.4,49.26) D20.2
Net-(D21-Pad2): length 11.5
  Bottom w0.25: MX21.2 58.23,51.15 arc(57.45,49.26) D21.2 ; 58.24,52.7 58.24,51.15 arc(57.46,49.26) 55.57,48.48
Net-(D22-Pad2): length 11.5
  Bottom w0.25: 77.29,52.7 77.29,51.15 arc(76.51,49.26) 74.62,48.48 ; MX22.2 77.28,51.15 arc(76.5,49.26) D22.2
Net-(D23-Pad2): length 11.5
  Bottom w0.25: 96.34,52.7 96.34,51.15 arc(95.56,49.26) 93.67,48.48 ; MX23.2 96.33,51.15 arc(95.55,49.26) D23.2
Net-(D24-Pad2): length 11.5
  Bottom w0.25: MX24.2 115.38,51.15 arc(114.6,49.26) D24.2 ; 115.39,52.7 115.39,51.15 arc(114.61,49.26) 112.72,48.48
Net-(D25-Pad2): length 11.5
  Bottom w0.25: MX25.2 134.43,51.15 arc(133.65,49.26) D25.2 ; 134.44,52.7 134.44,51.15 arc(133.66,49.26) 131.77,48.48
Net-(D26-Pad2): length 5.7
  Bottom w0.25: MX26.2 153.48,51.15 arc(152.7,49.26) D26.2
Net-(D27-Pad2): length 5.7
  Bottom w0.25: MX27.2 172.53,51.15 arc(171.75,49.26) D27.2
Net-(D28-Pad2): length 5.7
  Bottom w0.25: MX28.2 191.58,51.15 arc(190.8,49.26) D28.2
Net-(D29-Pad2): length 19.1
  Bottom w0.25: D29.2 200.62,52.45 arc(201.42,52.61) 202.09,53.06 202.7,53.67 arc(203.8,54.41) 205.09,54.66 208.67,54.66 arc(210.06,54.09) MX29.2 arc(210.52,53.28) 210.19,53.77
Net-(D30-Pad2): length 5.7
  Bottom w0.25: MX30.2 234.44,51.15 arc(233.66,49.26) D30.2
Net-(D31-Pad2): length 7.3
  Bottom w0.25: MX31.2 22.51,32.1 arc(21.73,30.21) D31.2 ; 22.52,32.1 22.52,33.65
Net-(D32-Pad2): length 7.3
  Bottom w0.25: MX32.2 48.7,32.1 arc(47.92,30.21) D32.2 ; 48.71,32.1 48.71,33.65
Net-(D33-Pad2): length 7.3
  Bottom w0.25: 67.76,32.1 67.76,33.65 ; MX33.2 67.75,32.1 arc(66.97,30.21) D33.2
Net-(D34-Pad2): length 7.3
  Bottom w0.25: 86.81,32.1 86.81,33.65 ; MX34.2 86.8,32.1 arc(86.02,30.21) D34.2
Net-(D35-Pad2): length 7.3
  Bottom w0.25: 105.86,32.1 105.86,33.65 ; MX35.2 105.85,32.1 arc(105.07,30.21) D35.2
Net-(D36-Pad2): length 7.3
  Bottom w0.25: MX36.2 124.9,32.1 arc(124.12,30.21) D36.2 ; 124.91,32.1 124.91,33.65
Net-(D37-Pad2): length 5.7
  Bottom w0.25: MX37.2 143.95,32.1 arc(143.17,30.21) D37.2
Net-(D38-Pad2): length 5.7
  Bottom w0.25: MX38.2 163,32.1 arc(162.22,30.21) D38.2
Net-(D39-Pad2): length 5.7
  Bottom w0.25: MX39.2 182.05,32.1 arc(181.27,30.21) D39.2
Net-(D40-Pad2): length 5.7
  Bottom w0.25: MX40.2 201.1,32.1 arc(200.32,30.21) D40.2
Net-(D41-Pad2): length 5.7
  Bottom w0.25: MX41.2 220.15,32.1 arc(219.37,30.21) D41.2
Net-(D42-Pad2): length 5.7
  Bottom w0.25: MX42.2 239.2,32.1 arc(238.42,30.21) D42.2
Net-(D43-Pad2): length 5.7
  Bottom w0.25: MX51.2 17.75,13.05 arc(16.97,11.16) D43.2
Net-(D44-Pad2): length 5.7
  Bottom w0.25: MX52.2 39.18,13.05 arc(38.4,11.16) D44.2
Net-(D45-Pad2): length 5.7
  Bottom w0.25: MX53.2 60.61,13.05 arc(59.83,11.16) D45.2
Net-(D47-Pad2): length 5.7
  Bottom w0.25: MX46.2 98.71,13.05 arc(97.93,11.16) D47.2
Net-(D48-Pad2): length 38.9
  Bottom w0.25: MX58.1 119.12,14.07 arc(119.4,15.47) 120.19,16.66 120.74,17.21 arc(124.34,19.62) 128.59,20.46 arc(133.21,19.54) 137.12,16.93 D48.2 arc(145.55,11.16) 146.34,13.05 MX47.2
Net-(D49-Pad2): length 5.7
  Bottom w0.25: MX55.2 179.67,13.05 arc(178.89,11.16) D49.2
Net-(D50-Pad2): length 5.7
  Bottom w0.25: MX49.2 201.1,13.05 arc(200.32,11.16) D50.2
Net-(D51-Pad2): length 5.7
  Bottom w0.25: MX57.2 220.15,13.05 arc(219.37,11.16) D51.2
Net-(D52-Pad2): length 5.7
  Bottom w0.25: MX50.2 239.2,13.05 arc(238.42,11.16) D52.2
Net-(D53-Pad1): length 6.4
  Bottom w0.35: D53.1 3.67,93.04 arc(4.35,93.5) 5.16,93.66 6.49,93.66 arc(7.49,93.46) R9.1
Net-(D54-Pad1): length 6.3
  Bottom w0.35: D54.1 3.61,87.47 arc(4.32,87.94) 5.16,88.11 6.65,88.11 arc(7.56,87.92) R10.1
Net-(D55-Pad1): length 6.3
  Bottom w0.35: D55.1 3.56,81.89 arc(4.29,82.38) 5.16,82.55 6.49,82.55 arc(7.49,82.35) R11.1
Net-(D56-Pad2): length 40.9
  Bottom w0.25: D57.4 179.03,18.5 arc(178.95,18.52) 178.88,18.56 arc(172.12,23.08) 164.15,24.66 153.63,24.66 arc(147.02,23.35) D56.2
Net-(D56-Pad4): length 40.8
  Bottom w0.25: D56.4 139.34,18.5 arc(139.26,18.52) 139.19,18.56 arc(132.44,23.08) 124.47,24.66 112.99,24.66 arc(106.89,23.45) D64.2
Net-(D57-Pad2): length 37.7
  Bottom w0.25: D58.4 215.54,18.5 arc(215.46,18.52) 215.39,18.56 arc(208.64,23.08) 200.67,24.66 193.32,24.66 arc(186.7,23.35) D57.2
Net-(D59-Pad2): length 41
  Top w0.25: v1(215.69,55.46) arc(215.49,55.96) 214.99,56.16 195.5,56.16 arc(194.85,56.29) v1(194.29,56.66)
  Bottom w0.2: v1(215.69,55.46) 215.69,56.51 arc(215.72,56.58) D59.2
  Bottom w0.25: 215.78,56.22 D59.2 ; v1(194.29,56.66) arc(193.3,56) 192.12,55.76 185.59,55.76 arc(184.04,56.41) 183.39,57.96 arc(183.13,58.6) 182.49,58.86 180.67,58.86 arc(179.85,58.52) D60.4
Net-(D60-Pad2): length 40.6
  Bottom w0.25: D60.2 177.3,56.22 arc(176.79,55.88) 176.19,55.76 145.85,55.76 arc(144.87,56.17) 144.46,57.15 144.46,58.74 arc(144.29,59.16) 143.86,59.34 142.04,59.34 arc(141.6,59.15) 141.41,58.7 D61.4
Net-(D61-Pad2): length 51.5
  Bottom w0.25: D62.4 104.21,58.6 arc(105.72,59.61) 107.49,59.96 107.59,59.96 arc(109.57,59.14) 110.39,57.16 arc(110.8,56.17) 111.79,55.76 138.74,55.76 arc(139.33,56.01) D61.2 ; 103.32,57.7 104.22,58.6 arc(105.73,59.61) 107.5,59.96 107.6,59.96 arc(109.58,59.14) 110.4,57.16 arc(110.81,56.17) 111.8,55.76
Net-(D62-Pad2): length 78.2
  Bottom w0.25: 101.49,56.6 100.66,56.6 arc(100.09,56.49) 99.6,56.16 arc(99.16,55.87) 98.64,55.76 70.5,55.76 arc(69.51,56.17) 69.1,57.16 69.1,57.86 arc(68.84,58.5) 68.2,58.76 66.28,58.76 arc(65.53,58.45) 65.22,57.7 ; D62.2 100.65,56.6 arc(100.08,56.49) 99.59,56.16 arc(99.15,55.87) 98.63,55.76 70.49,55.76 arc(69.5,56.17) 69.09,57.16 69.09,57.86 arc(68.83,58.5) 68.19,58.76 66.27,58.76 arc(65.52,58.45) D63.4
Net-(D63-Pad2): length 79.8
  Bottom w0.25: 27.12,57.7 28.02,58.6 arc(29.53,59.61) 31.3,59.96 31.4,59.96 arc(33.38,59.14) 34.2,57.16 arc(34.61,56.17) 35.6,55.76 62.55,55.76 arc(63.14,56.01) 63.39,56.6 ; D67.4 28.01,58.6 arc(29.52,59.61) 31.29,59.96 31.39,59.96 arc(33.37,59.14) 34.19,57.16 arc(34.6,56.17) 35.59,55.76 62.54,55.76 arc(63.13,56.01) D63.2
Net-(D64-Pad4): length 37.6
  Bottom w0.25: D64.4 99.66,18.9 arc(99.58,18.91) 99.51,18.96 arc(93.19,23.18) 85.75,24.66 77.43,24.66 arc(70.82,23.35) D65.2
Net-(D65-Pad4): length 40.8
  Bottom w0.25: D66.2 29.73,19.6 arc(31.68,20.41) 32.49,22.36 arc(33.17,23.99) 34.79,24.66 48.27,24.66 arc(56.24,23.08) 62.99,18.56 arc(63.06,18.52) 63.14,18.5 D65.4
Net-(D66-Pad4): length 65.1
  Top w0.25: 20.2,55.96 20.2,41.84 ; v1(20.19,55.96) 20.19,41.84 arc(22.06,32.44) 27.39,24.46
  Bottom w0.25: 25.29,56.6 21.74,56.6 arc(20.91,56.43) 20.2,55.96 ; D67.2 21.73,56.6 arc(20.9,56.43) v1(20.19,55.96) ; D66.4 arc(25.93,18.77) 26.19,19.41 26.19,23.2 arc(26.3,23.72) 26.59,24.16 arc(26.93,24.38) 27.32,24.46
  vias: v1(27.19,24.46)
Net-(J1-PadA5): length 5.3
  Bottom w0.25: J1.A5 211.87,69.83 arc(211.88,69.79) 211.9,69.76 arc(211.91,69.74) 211.92,69.72 211.92,68.74 arc(211.8,68.16) 211.47,67.66 210.91,67.11 arc(210.47,66.81) R1.2
Net-(J1-PadB5): length 5.4
  Bottom w0.25: J1.B5 214.87,70.24 arc(214.84,70.08) 214.75,69.95 214.65,69.85 arc(214.4,69.48) 214.32,69.05 214.32,68.99 arc(214.46,68.26) 214.88,67.64 215.46,67.05 arc(215.85,66.8) R3.2
Net-(J2-PadA5): length 3.4
  Bottom w0.25: 27.26,90.61 27.26,89.23 arc(27.23,89.1) 27.16,88.98 arc(27.03,88.79) 26.99,88.57 R2.2 ; 27.26,89.38 arc(27.26,89.37) 27.25,89.36
Net-(J2-PadB5): length 3.2
  Bottom w0.25: 30.26,90.61 30.26,89.22 arc(30.34,88.83) 30.56,88.5 arc(30.85,88.06) 30.96,87.54
Net-(R6-Pad1): length 5.8
  Bottom w0.2: U3.46 215.29,46.88 arc(215.2,47.33) 214.95,47.7 214.37,48.29 arc(214.13,48.65) 214.04,49.08 214.04,50.87 arc(213.97,51.24) R6.1
Net-(R7-Pad1): length 5.8
  Bottom w0.2: U3.47 215.69,46.91 arc(215.58,47.5) 215.24,48 214.7,48.54 arc(214.51,48.82) 214.45,49.15 214.45,49.99 arc(214.62,50.84) R7.1
Net-(R14-Pad2): length 9
  Bottom w0.2: R14.2 238.67,61.49 arc(239.35,62.51) SWR2.2 SWR2.2

## Copper pours and planes (outline as drawn; the poured copper is in the pictures)
GND on Top: 210.99,55.76 212.39,54.76 215.59,51.96 218.89,48.76 224.99,42.66 226.09,41.36 226.69,40.16 226.79,39.06 225.99,37.66 225.19,36.76 224.09,35.76 222.99,35.06 218.39,34.06 214.49,33.16 212.49,32.26 210.89,31.06 209.79,29.06 207.89,25.36 206.39,22.96 205.69,22.16 49.19,22.16 40.69,22.26 37.59,22.46 37.09,22.56 36.89,22.76 33.89,28.16 32.59,30.36 31.49,31.66 30.49,32.46 29.79,32.86 27.59,33.46 22.89,34.46 20.89,34.96 19.59,35.56 18.59,36.16 17.69,36.96 17.09,37.66 16.59,38.56 16.39,39.26 16.49,39.96 16.99,40.96 18.19,42.56 20.09,44.66 23.99,48.46 28.39,52.56 31.39,55.16 33.29,56.46 34.89,57.26 207.99,57.26
GND on Top: 208.08,118.28 266.18,96.18 251.99,-9.04 -13.81,-9.04 -10.21,106.06
GND on Bottom: 83.03,102.3 254,107.16 252.23,-9.7 -9.47,-7.3 -2.37,104.6

## Text on the board
B.Silkscreen: + | 2023 | 5VLED | 5V GND | RST | GP2 GP3 / SDA SCL | GND RGB 5VD | Monorail Jet / Version 2.0 | EDGE RAIL
F.Fab: MX_stab
